# KiCad board first_keyboard.kicad_pcb (continued)
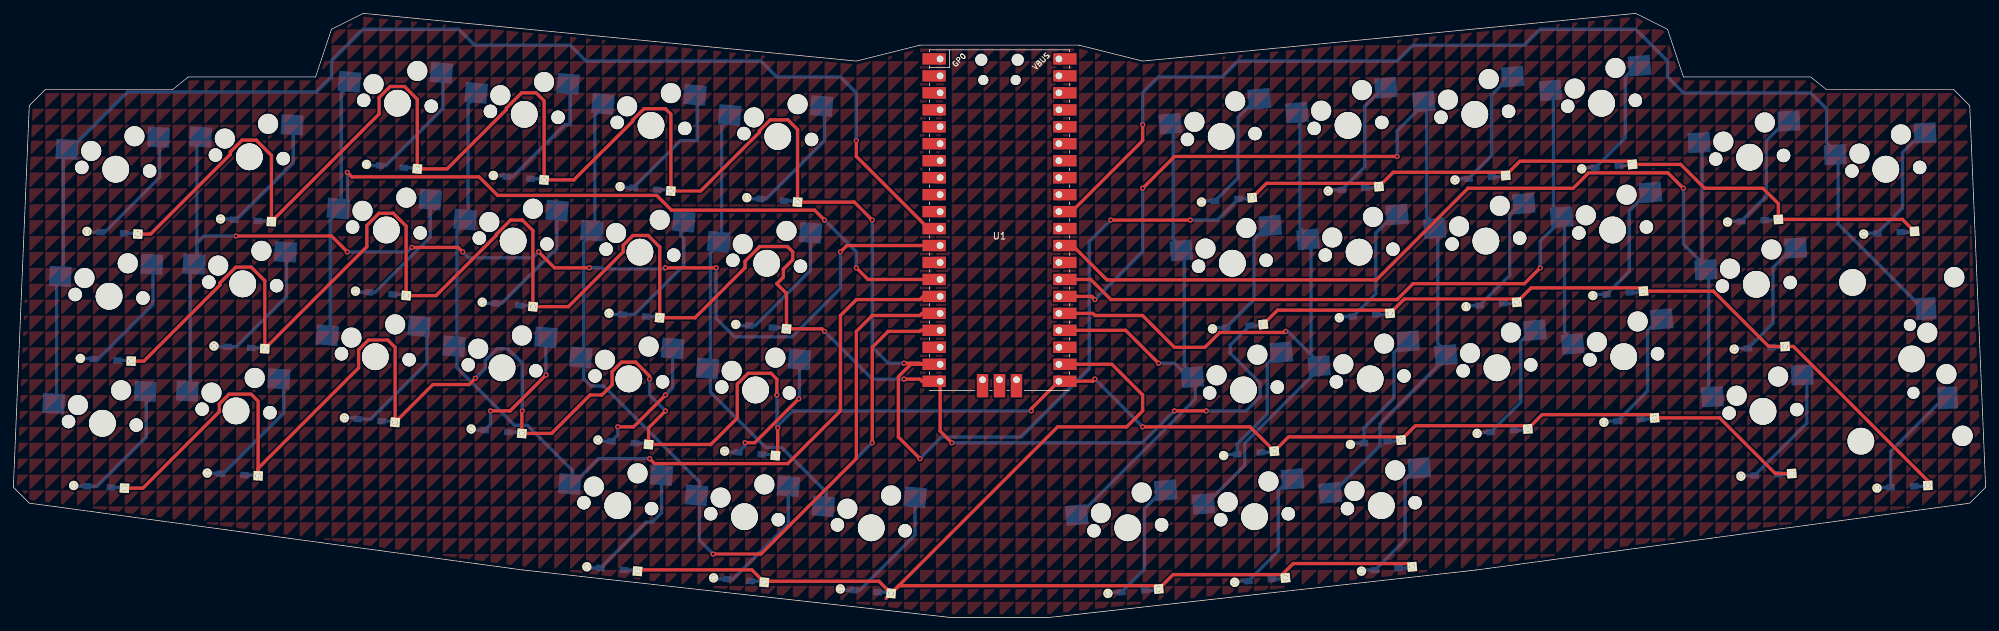
[diagram p0: board, top side]
## Copper pours and planes (outline as drawn; the poured copper is in the pictures) (continued)
(no net) on Top, Bottom: 85.73,123.83 85.73,121.44 88.11,123.83
(no net) on Top, Bottom: 157.16,100.01 157.16,97.63 159.54,100.01
(no net) on Top, Bottom: 207.17,-11.91 207.17,-14.29 209.55,-11.91
(no net) on Top, Bottom: 130.97,145.26 130.97,142.88 133.35,145.26
(no net) on Top, Bottom: 121.44,-30.96 121.44,-33.34 123.83,-30.96
(no net) on Top, Bottom: 114.3,83.34 114.3,80.96 116.68,83.34
(no net) on Top, Bottom: 178.59,114.3 178.59,111.92 180.98,114.3
(no net) on Top, Bottom: 126.21,107.16 126.21,104.78 128.59,107.16
(no net) on Top, Bottom: 71.44,-33.34 71.44,-35.72 73.82,-33.34
(no net) on Top, Bottom: 150.02,114.3 150.02,111.92 152.4,114.3
(no net) on Top, Bottom: 66.67,109.54 66.67,107.16 69.06,109.54
(no net) on Top, Bottom: 276.22,-19.05 276.22,-21.43 278.61,-19.05
(no net) on Top, Bottom: 145.26,-11.91 145.26,-14.29 147.64,-11.91
(no net) on Top, Bottom: 142.88,21.43 142.88,19.05 145.26,21.43
(no net) on Top, Bottom: 235.74,-28.57 235.74,-30.96 238.12,-28.57
(no net) on Top, Bottom: 178.59,-19.05 178.59,-21.43 180.98,-19.05
(no net) on Top, Bottom: 228.6,52.39 228.6,50.01 230.98,52.39
(no net) on Top, Bottom: 238.12,-9.53 238.12,-11.91 240.51,-9.53
(no net) on Top, Bottom: 209.55,35.72 209.55,33.34 211.93,35.72
(no net) on Top, Bottom: 66.67,11.91 66.67,9.53 69.06,11.91
(no net) on Top, Bottom: 152.4,23.81 152.4,21.43 154.78,23.81
(no net) on Top, Bottom: 9.53,111.92 9.53,109.54 11.91,111.92
(no net) on Top, Bottom: 33.34,107.16 33.34,104.78 35.72,107.16
(no net) on Top, Bottom: 64.29,2.38 64.29,0 66.67,2.38
(no net) on Top, Bottom: 297.66,52.39 297.66,50.01 300.04,52.39
(no net) on Top, Bottom: 50.01,97.63 50.01,95.25 52.39,97.63
(no net) on Top, Bottom: 183.36,47.62 183.36,45.24 185.74,47.62
(no net) on Top, Bottom: 300.04,47.62 300.04,45.24 302.42,47.62
(no net) on Top, Bottom: 95.25,28.57 95.25,26.19 97.63,28.57
(no net) on Top, Bottom: 188.12,133.35 188.12,130.97 190.5,133.35
(no net) on Top, Bottom: 209.55,88.11 209.55,85.72 211.93,88.11
(no net) on Top, Bottom: 157.16,-2.38 157.16,-4.76 159.54,-2.38
(no net) on Top, Bottom: 185.74,21.43 185.74,19.05 188.12,21.43
(no net) on Top, Bottom: 295.27,142.88 295.27,140.49 297.66,142.88
(no net) on Top, Bottom: 59.53,88.11 59.53,85.72 61.91,88.11
(no net) on Top, Bottom: 11.91,-9.53 11.91,-11.91 14.29,-9.53
(no net) on Top, Bottom: 100.01,-38.1 100.01,-40.48 102.39,-38.1
(no net) on Top, Bottom: 116.68,114.3 116.68,111.92 119.06,114.3
(no net) on Top, Bottom: 250.03,123.83 250.03,121.44 252.41,123.83
(no net) on Top, Bottom: 247.65,4.76 247.65,2.38 250.03,4.76
(no net) on Top, Bottom: 283.37,88.11 283.37,85.72 285.75,88.11
(no net) on Top, Bottom: 59.53,35.72 59.53,33.34 61.91,35.72
(no net) on Top, Bottom: 266.7,-21.43 266.7,-23.81 269.08,-21.43
(no net) on Top, Bottom: 254.79,69.06 254.79,66.68 257.18,69.06
(no net) on Top, Bottom: 90.49,-16.67 90.49,-19.05 92.87,-16.67
(no net) on Top, Bottom: 283.37,92.87 283.37,90.49 285.75,92.87
(no net) on Top, Bottom: 28.58,126.21 28.58,123.83 30.96,126.21
(no net) on Top, Bottom: 178.59,-33.34 178.59,-35.72 180.98,-33.34
(no net) on Top, Bottom: 271.46,35.72 271.46,33.34 273.84,35.72
(no net) on Top, Bottom: 278.61,-30.96 278.61,-33.34 280.99,-30.96
(no net) on Top, Bottom: 116.68,140.49 116.68,138.11 119.06,140.49
(no net) on Top, Bottom: 259.56,33.34 259.56,30.96 261.94,33.34
(no net) on Top, Bottom: 9.53,-4.76 9.53,-7.14 11.91,-4.76
(no net) on Top, Bottom: 104.77,-23.81 104.77,-26.19 107.16,-23.81
(no net) on Top, Bottom: 273.84,-16.67 273.84,-19.05 276.22,-16.67
(no net) on Top, Bottom: 171.45,-19.05 171.45,-21.43 173.83,-19.05
(no net) on Top, Bottom: 207.17,54.77 207.17,52.39 209.55,54.77
(no net) on Top, Bottom: 142.88,33.34 142.88,30.96 145.26,33.34
(no net) on Top, Bottom: 30.96,52.39 30.96,50.01 33.34,52.39
(no net) on Top, Bottom: 164.31,102.39 164.31,100.01 166.69,102.39
(no net) on Top, Bottom: 73.82,109.54 73.82,107.16 76.2,109.54
(no net) on Top, Bottom: 128.59,109.54 128.59,107.16 130.97,109.54
(no net) on Top, Bottom: 304.8,150.02 304.8,147.64 307.18,150.02
(no net) on Top, Bottom: 19.05,50.01 19.05,47.62 21.43,50.01
(no net) on Top, Bottom: 166.69,130.97 166.69,128.59 169.07,130.97
(no net) on Top, Bottom: 116.68,80.96 116.68,78.58 119.06,80.96
(no net) on Top, Bottom: 140.49,78.58 140.49,76.2 142.88,78.58
(no net) on Top, Bottom: 266.7,9.53 266.7,7.14 269.08,9.53
(no net) on Top, Bottom: 233.36,64.29 233.36,61.91 235.74,64.29
(no net) on Top, Bottom: 35.72,109.54 35.72,107.16 38.1,109.54
(no net) on Top, Bottom: 288.13,123.83 288.13,121.44 290.51,123.83
(no net) on Top, Bottom: 219.07,80.96 219.07,78.58 221.46,80.96
(no net) on Top, Bottom: 292.89,109.54 292.89,107.16 295.27,109.54
(no net) on Top, Bottom: 9.53,-11.91 9.53,-14.29 11.91,-11.91
(no net) on Top, Bottom: 259.56,11.91 259.56,9.53 261.94,11.91
(no net) on Top, Bottom: 164.31,100.01 164.31,97.63 166.69,100.01
(no net) on Top, Bottom: 38.1,114.3 38.1,111.92 40.48,114.3
(no net) on Top, Bottom: 154.78,71.44 154.78,69.06 157.16,71.44
(no net) on Top, Bottom: 264.32,54.77 264.32,52.39 266.7,54.77
(no net) on Top, Bottom: 123.83,111.92 123.83,109.54 126.21,111.92
(no net) on Top, Bottom: 73.82,33.34 73.82,30.96 76.2,33.34
(no net) on Top, Bottom: 214.31,54.77 214.31,52.39 216.69,54.77
(no net) on Top, Bottom: 147.64,123.83 147.64,121.44 150.02,123.83
(no net) on Top, Bottom: 54.77,126.21 54.77,123.83 57.15,126.21
(no net) on Top, Bottom: 73.82,116.68 73.82,114.3 76.2,116.68
(no net) on Top, Bottom: 295.27,-23.81 295.27,-26.19 297.66,-23.81
(no net) on Top, Bottom: 180.98,-23.81 180.98,-26.19 183.36,-23.81
(no net) on Top, Bottom: 216.69,19.05 216.69,16.67 219.07,19.05
(no net) on Top, Bottom: 47.62,-26.19 47.62,-28.57 50.01,-26.19
(no net) on Top, Bottom: 233.36,-19.05 233.36,-21.43 235.74,-19.05
(no net) on Top, Bottom: 7.14,-21.43 7.14,-23.81 9.53,-21.43
(no net) on Top, Bottom: 38.1,90.49 38.1,88.11 40.48,90.49
(no net) on Top, Bottom: 123.83,119.06 123.83,116.68 126.21,119.06
(no net) on Top, Bottom: 238.12,30.96 238.12,28.57 240.51,30.96
(no net) on Top, Bottom: 114.3,33.34 114.3,30.96 116.68,33.34
(no net) on Top, Bottom: 80.96,-16.67 80.96,-19.05 83.34,-16.67
(no net) on Top, Bottom: 233.36,111.92 233.36,109.54 235.74,111.92
(no net) on Top, Bottom: 78.58,19.05 78.58,16.67 80.96,19.05
(no net) on Top, Bottom: 171.45,-38.1 171.45,-40.48 173.83,-38.1
(no net) on Top, Bottom: 38.1,92.87 38.1,90.49 40.48,92.87
(no net) on Top, Bottom: 169.07,66.68 169.07,64.29 171.45,66.68
(no net) on Top, Bottom: 23.81,116.68 23.81,114.3 26.19,116.68
(no net) on Top, Bottom: 45.24,128.59 45.24,126.21 47.62,128.59
(no net) on Top, Bottom: 102.39,42.86 102.39,40.48 104.77,42.86
(no net) on Top, Bottom: 242.89,145.26 242.89,142.88 245.27,145.26
(no net) on Top, Bottom: 271.46,71.44 271.46,69.06 273.84,71.44
(no net) on Top, Bottom: 133.35,38.1 133.35,35.72 135.73,38.1
(no net) on Top, Bottom: 28.58,-33.34 28.58,-35.72 30.96,-33.34
(no net) on Top, Bottom: 271.46,11.91 271.46,9.53 273.84,11.91
(no net) on Top, Bottom: 78.58,130.97 78.58,128.59 80.96,130.97
(no net) on Top, Bottom: 226.22,57.15 226.22,54.77 228.6,57.15
(no net) on Top, Bottom: 104.77,76.2 104.77,73.82 107.16,76.2
(no net) on Top, Bottom: 0,-28.57 0,-30.96 2.38,-28.57
(no net) on Top, Bottom: 107.16,-38.1 107.16,-40.48 109.54,-38.1
(no net) on Top, Bottom: 116.68,138.11 116.68,135.73 119.06,138.11
(no net) on Top, Bottom: 130.97,52.39 130.97,50.01 133.35,52.39
(no net) on Top, Bottom: 54.77,0 54.77,-2.38 57.15,0
(no net) on Top, Bottom: 119.06,116.68 119.06,114.3 121.44,116.68
(no net) on Top, Bottom: 247.65,45.24 247.65,42.86 250.03,45.24
(no net) on Top, Bottom: 150.02,71.44 150.02,69.06 152.4,71.44
(no net) on Top, Bottom: 59.53,104.78 59.53,102.39 61.91,104.78
(no net) on Top, Bottom: 276.22,-7.14 276.22,-9.53 278.61,-7.14
(no net) on Top, Bottom: 109.54,107.16 109.54,104.78 111.92,107.16
(no net) on Top, Bottom: 273.84,50.01 273.84,47.62 276.22,50.01
(no net) on Top, Bottom: 288.13,121.44 288.13,119.06 290.51,121.44
(no net) on Top, Bottom: 107.16,133.35 107.16,130.97 109.54,133.35
(no net) on Top, Bottom: 119.06,9.53 119.06,7.14 121.44,9.53
(no net) on Top, Bottom: 85.73,90.49 85.73,88.11 88.11,90.49
(no net) on Top, Bottom: 7.14,-33.34 7.14,-35.72 9.53,-33.34
(no net) on Top, Bottom: 161.93,69.06 161.93,66.68 164.31,69.06
(no net) on Top, Bottom: 280.99,126.21 280.99,123.83 283.37,126.21
(no net) on Top, Bottom: 154.78,40.48 154.78,38.1 157.16,40.48
(no net) on Top, Bottom: 269.08,-26.19 269.08,-28.57 271.46,-26.19
(no net) on Top, Bottom: 216.69,-2.38 216.69,-4.76 219.07,-2.38
(no net) on Top, Bottom: 204.79,150.02 204.79,147.64 207.17,150.02
(no net) on Top, Bottom: 185.74,138.11 185.74,135.73 188.12,138.11
(no net) on Top, Bottom: 14.29,-28.57 14.29,-30.96 16.67,-28.57
(no net) on Top, Bottom: 142.88,61.91 142.88,59.53 145.26,61.91
(no net) on Top, Bottom: 142.88,138.11 142.88,135.73 145.26,138.11
(no net) on Top, Bottom: 280.99,69.06 280.99,66.68 283.37,69.06
(no net) on Top, Bottom: 242.89,116.68 242.89,114.3 245.27,116.68
(no net) on Top, Bottom: 261.94,78.58 261.94,76.2 264.32,78.58
(no net) on Top, Bottom: 204.79,100.01 204.79,97.63 207.17,100.01
(no net) on Top, Bottom: 197.64,88.11 197.64,85.72 200.02,88.11
(no net) on Top, Bottom: 280.99,-9.53 280.99,-11.91 283.37,-9.53
(no net) on Top, Bottom: 285.75,78.58 285.75,76.2 288.13,78.58
(no net) on Top, Bottom: 264.32,90.49 264.32,88.11 266.7,90.49
(no net) on Top, Bottom: 164.31,-14.29 164.31,-16.67 166.69,-14.29
(no net) on Top, Bottom: 245.27,102.39 245.27,100.01 247.65,102.39
(no net) on Top, Bottom: 195.26,107.16 195.26,104.78 197.64,107.16
(no net) on Top, Bottom: 200.02,116.68 200.02,114.3 202.41,116.68
(no net) on Top, Bottom: 130.97,123.83 130.97,121.44 133.35,123.83
(no net) on Top, Bottom: 19.05,107.16 19.05,104.78 21.43,107.16
(no net) on Top, Bottom: 114.3,0 114.3,-2.38 116.68,0
(no net) on Top, Bottom: 140.49,107.16 140.49,104.78 142.88,107.16
(no net) on Top, Bottom: 130.97,38.1 130.97,35.72 133.35,38.1
(no net) on Top, Bottom: 111.92,-33.34 111.92,-35.72 114.3,-33.34
(no net) on Top, Bottom: 133.35,111.92 133.35,109.54 135.73,111.92
(no net) on Top, Bottom: 104.77,61.91 104.77,59.53 107.16,61.91
(no net) on Top, Bottom: 192.88,19.05 192.88,16.67 195.26,19.05
(no net) on Top, Bottom: 245.27,135.73 245.27,133.35 247.65,135.73
(no net) on Top, Bottom: 190.5,-38.1 190.5,-40.48 192.88,-38.1
(no net) on Top, Bottom: 4.76,-16.67 4.76,-19.05 7.14,-16.67
(no net) on Top, Bottom: 104.77,102.39 104.77,100.01 107.16,102.39
(no net) on Top, Bottom: 119.06,19.05 119.06,16.67 121.44,19.05
(no net) on Top, Bottom: 2.38,-28.57 2.38,-30.96 4.76,-28.57
(no net) on Top, Bottom: 233.36,88.11 233.36,85.72 235.74,88.11
(no net) on Top, Bottom: 2.38,92.87 2.38,90.49 4.76,92.87
(no net) on Top, Bottom: 123.83,76.2 123.83,73.82 126.21,76.2
(no net) on Top, Bottom: 254.79,71.44 254.79,69.06 257.18,71.44
(no net) on Top, Bottom: 183.36,-14.29 183.36,-16.67 185.74,-14.29
(no net) on Top, Bottom: 28.58,-2.38 28.58,-4.76 30.96,-2.38
(no net) on Top, Bottom: 264.32,88.11 264.32,85.72 266.7,88.11
(no net) on Top, Bottom: 254.79,11.91 254.79,9.53 257.18,11.91
(no net) on Top, Bottom: 45.24,16.67 45.24,14.29 47.62,16.67
(no net) on Top, Bottom: 35.72,23.81 35.72,21.43 38.1,23.81
(no net) on Top, Bottom: 4.76,92.87 4.76,90.49 7.14,92.87
(no net) on Top, Bottom: 266.7,38.1 266.7,35.72 269.08,38.1
(no net) on Top, Bottom: 76.2,90.49 76.2,88.11 78.58,90.49
(no net) on Top, Bottom: 138.11,-14.29 138.11,-16.67 140.49,-14.29
(no net) on Top, Bottom: 23.81,33.34 23.81,30.96 26.19,33.34
(no net) on Top, Bottom: 59.53,138.11 59.53,135.73 61.91,138.11
(no net) on Top, Bottom: 100.01,123.83 100.01,121.44 102.39,123.83
(no net) on Top, Bottom: 235.74,119.06 235.74,116.68 238.12,119.06
(no net) on Top, Bottom: 147.64,26.19 147.64,23.81 150.02,26.19
(no net) on Top, Bottom: 250.03,133.35 250.03,130.97 252.41,133.35
(no net) on Top, Bottom: 300.04,42.86 300.04,40.48 302.42,42.86
(no net) on Top, Bottom: 102.39,119.06 102.39,116.68 104.77,119.06
(no net) on Top, Bottom: 45.24,104.78 45.24,102.39 47.62,104.78
(no net) on Top, Bottom: 100.01,16.67 100.01,14.29 102.39,16.67
(no net) on Top, Bottom: 78.58,0 78.58,-2.38 80.96,0
(no net) on Top, Bottom: 238.12,90.49 238.12,88.11 240.51,90.49
(no net) on Top, Bottom: 242.89,85.72 242.89,83.34 245.27,85.72
(no net) on Top, Bottom: 61.91,50.01 61.91,47.62 64.29,50.01
(no net) on Top, Bottom: 111.92,88.11 111.92,85.72 114.3,88.11
(no net) on Top, Bottom: 104.77,107.16 104.77,104.78 107.16,107.16
(no net) on Top, Bottom: 28.58,-4.76 28.58,-7.14 30.96,-4.76
(no net) on Top, Bottom: 73.82,102.39 73.82,100.01 76.2,102.39
(no net) on Top, Bottom: 107.16,142.88 107.16,140.49 109.54,142.88
(no net) on Top, Bottom: 259.56,126.21 259.56,123.83 261.94,126.21
(no net) on Top, Bottom: 100.01,-11.91 100.01,-14.29 102.39,-11.91
(no net) on Top, Bottom: 76.2,52.39 76.2,50.01 78.58,52.39
(no net) on Top, Bottom: 226.22,59.53 226.22,57.15 228.6,59.53
(no net) on Top, Bottom: 214.31,47.62 214.31,45.24 216.69,47.62
(no net) on Top, Bottom: 90.49,9.53 90.49,7.14 92.87,9.53
(no net) on Top, Bottom: 88.11,57.15 88.11,54.77 90.49,57.15
(no net) on Top, Bottom: 300.04,-23.81 300.04,-26.19 302.42,-23.81
(no net) on Top, Bottom: 257.18,59.53 257.18,57.15 259.56,59.53
(no net) on Top, Bottom: 283.37,80.96 283.37,78.58 285.75,80.96
(no net) on Top, Bottom: 180.98,119.06 180.98,116.68 183.36,119.06
(no net) on Top, Bottom: 230.98,38.1 230.98,35.72 233.36,38.1
(no net) on Top, Bottom: 9.53,9.53 9.53,7.14 11.91,9.53
(no net) on Top, Bottom: 169.07,76.2 169.07,73.82 171.45,76.2
(no net) on Top, Bottom: 183.36,50.01 183.36,47.62 185.74,50.01
(no net) on Top, Bottom: 119.06,57.15 119.06,54.77 121.44,57.15
(no net) on Top, Bottom: 221.46,-23.81 221.46,-26.19 223.84,-23.81
(no net) on Top, Bottom: 233.36,133.35 233.36,130.97 235.74,133.35
(no net) on Top, Bottom: 285.75,69.06 285.75,66.68 288.13,69.06
(no net) on Top, Bottom: 271.46,57.15 271.46,54.77 273.84,57.15
(no net) on Top, Bottom: 54.77,45.24 54.77,42.86 57.15,45.24
(no net) on Top, Bottom: 114.3,140.49 114.3,138.11 116.68,140.49
(no net) on Top, Bottom: 297.66,-11.91 297.66,-14.29 300.04,-11.91
(no net) on Top, Bottom: 185.74,69.06 185.74,66.68 188.12,69.06
(no net) on Top, Bottom: 123.83,140.49 123.83,138.11 126.21,140.49
(no net) on Top, Bottom: 190.5,-2.38 190.5,-4.76 192.88,-2.38
(no net) on Top, Bottom: 14.29,-38.1 14.29,-40.48 16.67,-38.1
(no net) on Top, Bottom: 138.11,88.11 138.11,85.72 140.49,88.11
(no net) on Top, Bottom: 273.84,11.91 273.84,9.53 276.22,11.91
(no net) on Top, Bottom: 14.29,59.53 14.29,57.15 16.67,59.53
(no net) on Top, Bottom: 100.01,33.34 100.01,30.96 102.39,33.34
(no net) on Top, Bottom: 264.32,33.34 264.32,30.96 266.7,33.34
(no net) on Top, Bottom: 104.77,80.96 104.77,78.58 107.16,80.96
(no net) on Top, Bottom: 204.79,-33.34 204.79,-35.72 207.17,-33.34
(no net) on Top, Bottom: 238.12,88.11 238.12,85.72 240.51,88.11
(no net) on Top, Bottom: 9.53,2.38 9.53,0 11.91,2.38
(no net) on Top, Bottom: 61.91,71.44 61.91,69.06 64.29,71.44
(no net) on Top, Bottom: 9.53,54.77 9.53,52.39 11.91,54.77
(no net) on Top, Bottom: 66.67,-11.91 66.67,-14.29 69.06,-11.91
(no net) on Top, Bottom: 80.96,138.11 80.96,135.73 83.34,138.11
(no net) on Top, Bottom: 152.4,-7.14 152.4,-9.53 154.78,-7.14
(no net) on Top, Bottom: 159.54,-35.72 159.54,-38.1 161.93,-35.72
(no net) on Top, Bottom: 90.49,-21.43 90.49,-23.81 92.87,-21.43
(no net) on Top, Bottom: 269.08,61.91 269.08,59.53 271.46,61.91
(no net) on Top, Bottom: 142.88,-19.05 142.88,-21.43 145.26,-19.05
(no net) on Top, Bottom: 54.77,40.48 54.77,38.1 57.15,40.48
(no net) on Top, Bottom: 252.41,114.3 252.41,111.92 254.79,114.3
(no net) on Top, Bottom: 14.29,7.14 14.29,4.76 16.67,7.14
(no net) on Top, Bottom: 142.88,50.01 142.88,47.62 145.26,50.01
(no net) on Top, Bottom: 138.11,128.59 138.11,126.21 140.49,128.59
(no net) on Top, Bottom: 40.48,38.1 40.48,35.72 42.86,38.1
(no net) on Top, Bottom: 235.74,130.97 235.74,128.59 238.12,130.97
(no net) on Top, Bottom: 295.27,130.97 295.27,128.59 297.66,130.97
(no net) on Top, Bottom: 61.91,100.01 61.91,97.63 64.29,100.01
(no net) on Top, Bottom: 171.45,147.64 171.45,145.26 173.83,147.64
(no net) on Top, Bottom: 233.36,71.44 233.36,69.06 235.74,71.44
(no net) on Top, Bottom: 245.27,69.06 245.27,66.68 247.65,69.06
(no net) on Top, Bottom: 154.78,123.83 154.78,121.44 157.16,123.83
(no net) on Top, Bottom: 242.89,-21.43 242.89,-23.81 245.27,-21.43
(no net) on Top, Bottom: 78.58,-26.19 78.58,-28.57 80.96,-26.19
(no net) on Top, Bottom: 292.89,-9.53 292.89,-11.91 295.27,-9.53
(no net) on Top, Bottom: 252.41,28.57 252.41,26.19 254.79,28.57
(no net) on Top, Bottom: 195.26,-26.19 195.26,-28.57 197.64,-26.19
(no net) on Top, Bottom: 80.96,0 80.96,-2.38 83.34,0
(no net) on Top, Bottom: 190.5,119.06 190.5,116.68 192.88,119.06
(no net) on Top, Bottom: 269.08,-11.91 269.08,-14.29 271.46,-11.91
(no net) on Top, Bottom: 35.72,92.87 35.72,90.49 38.1,92.87
(no net) on Top, Bottom: 169.07,-30.96 169.07,-33.34 171.45,-30.96
(no net) on Top, Bottom: 57.15,4.76 57.15,2.38 59.53,4.76
(no net) on Top, Bottom: 26.19,126.21 26.19,123.83 28.58,126.21
(no net) on Top, Bottom: 19.05,116.68 19.05,114.3 21.43,116.68
(no net) on Top, Bottom: 121.44,-9.53 121.44,-11.91 123.83,-9.53
(no net) on Top, Bottom: 235.74,88.11 235.74,85.72 238.12,88.11
(no net) on Top, Bottom: 254.79,30.96 254.79,28.57 257.18,30.96
(no net) on Top, Bottom: 11.91,40.48 11.91,38.1 14.29,40.48
(no net) on Top, Bottom: 114.3,92.87 114.3,90.49 116.68,92.87
(no net) on Top, Bottom: 204.79,130.97 204.79,128.59 207.17,130.97
(no net) on Top, Bottom: 209.55,33.34 209.55,30.96 211.93,33.34
(no net) on Top, Bottom: 7.14,88.11 7.14,85.72 9.53,88.11
(no net) on Top, Bottom: 152.4,73.82 152.4,71.44 154.78,73.82
(no net) on Top, Bottom: 114.3,4.76 114.3,2.38 116.68,4.76
(no net) on Top, Bottom: 50.01,-26.19 50.01,-28.57 52.39,-26.19
(no net) on Top, Bottom: 107.16,35.72 107.16,33.34 109.54,35.72
(no net) on Top, Bottom: 111.92,-2.38 111.92,-4.76 114.3,-2.38
(no net) on Top, Bottom: 45.24,111.92 45.24,109.54 47.62,111.92
(no net) on Top, Bottom: 138.11,83.34 138.11,80.96 140.49,83.34
(no net) on Top, Bottom: 271.46,-38.1 271.46,-40.48 273.84,-38.1
(no net) on Top, Bottom: 304.8,104.78 304.8,102.39 307.18,104.78
(no net) on Top, Bottom: 202.41,47.62 202.41,45.24 204.79,47.62
(no net) on Top, Bottom: 183.36,-21.43 183.36,-23.81 185.74,-21.43
(no net) on Top, Bottom: 95.25,19.05 95.25,16.67 97.63,19.05
(no net) on Top, Bottom: 166.69,40.48 166.69,38.1 169.07,40.48
(no net) on Top, Bottom: 38.1,30.96 38.1,28.57 40.48,30.96
(no net) on Top, Bottom: 271.46,119.06 271.46,116.68 273.84,119.06
(no net) on Top, Bottom: 123.83,-16.67 123.83,-19.05 126.21,-16.67
(no net) on Top, Bottom: 111.92,11.91 111.92,9.53 114.3,11.91
(no net) on Top, Bottom: 264.32,-4.76 264.32,-7.14 266.7,-4.76
(no net) on Top, Bottom: 64.29,97.63 64.29,95.25 66.67,97.63
(no net) on Top, Bottom: 185.74,78.58 185.74,76.2 188.12,78.58
(no net) on Top, Bottom: 230.98,-11.91 230.98,-14.29 233.36,-11.91
(no net) on Top, Bottom: 0,76.2 0,73.82 2.38,76.2
(no net) on Top, Bottom: 202.41,21.43 202.41,19.05 204.79,21.43
(no net) on Top, Bottom: 159.54,-2.38 159.54,-4.76 161.93,-2.38
(no net) on Top, Bottom: 180.98,-38.1 180.98,-40.48 183.36,-38.1
(no net) on Top, Bottom: 85.73,45.24 85.73,42.86 88.11,45.24
(no net) on Top, Bottom: 276.22,42.86 276.22,40.48 278.61,42.86
(no net) on Top, Bottom: 147.64,16.67 147.64,14.29 150.02,16.67
(no net) on Top, Bottom: 257.18,38.1 257.18,35.72 259.56,38.1
(no net) on Top, Bottom: 123.83,33.34 123.83,30.96 126.21,33.34
(no net) on Top, Bottom: 197.64,38.1 197.64,35.72 200.02,38.1
(no net) on Top, Bottom: 116.68,66.68 116.68,64.29 119.06,66.68
(no net) on Top, Bottom: 121.44,-21.43 121.44,-23.81 123.83,-21.43
(no net) on Top, Bottom: 166.69,-30.96 166.69,-33.34 169.07,-30.96
(no net) on Top, Bottom: 54.77,109.54 54.77,107.16 57.15,109.54
(no net) on Top, Bottom: 285.75,97.63 285.75,95.25 288.13,97.63
(no net) on Top, Bottom: 35.72,2.38 35.72,0 38.1,2.38
(no net) on Top, Bottom: 66.67,28.57 66.67,26.19 69.06,28.57
(no net) on Top, Bottom: 159.54,-19.05 159.54,-21.43 161.93,-19.05
(no net) on Top, Bottom: 107.16,52.39 107.16,50.01 109.54,52.39
(no net) on Top, Bottom: 173.83,71.44 173.83,69.06 176.21,71.44
(no net) on Top, Bottom: 226.22,-30.96 226.22,-33.34 228.6,-30.96
(no net) on Top, Bottom: 116.68,33.34 116.68,30.96 119.06,33.34
(no net) on Top, Bottom: 190.5,116.68 190.5,114.3 192.88,116.68
(no net) on Top, Bottom: 288.13,-7.14 288.13,-9.53 290.51,-7.14
(no net) on Top, Bottom: 83.34,133.35 83.34,130.97 85.73,133.35
(no net) on Top, Bottom: 23.81,104.78 23.81,102.39 26.19,104.78
(no net) on Top, Bottom: 219.07,52.39 219.07,50.01 221.46,52.39
(no net) on Top, Bottom: 130.97,42.86 130.97,40.48 133.35,42.86
(no net) on Top, Bottom: 159.54,40.48 159.54,38.1 161.93,40.48
(no net) on Top, Bottom: 92.87,107.16 92.87,104.78 95.25,107.16
(no net) on Top, Bottom: 76.2,119.06 76.2,116.68 78.58,119.06
(no net) on Top, Bottom: 111.92,-30.96 111.92,-33.34 114.3,-30.96
(no net) on Top, Bottom: 169.07,147.64 169.07,145.26 171.45,147.64
(no net) on Top, Bottom: 226.22,121.44 226.22,119.06 228.6,121.44
(no net) on Top, Bottom: 78.58,40.48 78.58,38.1 80.96,40.48
(no net) on Top, Bottom: 252.41,42.86 252.41,40.48 254.79,42.86
(no net) on Top, Bottom: 228.6,145.26 228.6,142.88 230.98,145.26
(no net) on Top, Bottom: 102.39,92.87 102.39,90.49 104.77,92.87
(no net) on Top, Bottom: 52.39,-14.29 52.39,-16.67 54.77,-14.29
(no net) on Top, Bottom: 114.3,57.15 114.3,54.77 116.68,57.15
(no net) on Top, Bottom: 150.02,135.73 150.02,133.35 152.4,135.73
(no net) on Top, Bottom: 276.22,64.29 276.22,61.91 278.61,64.29
(no net) on Top, Bottom: 292.89,114.3 292.89,111.92 295.27,114.3
(no net) on Top, Bottom: 121.44,97.63 121.44,95.25 123.83,97.63
(no net) on Top, Bottom: 52.39,28.57 52.39,26.19 54.77,28.57
(no net) on Top, Bottom: 9.53,35.72 9.53,33.34 11.91,35.72
(no net) on Top, Bottom: 66.67,83.34 66.67,80.96 69.06,83.34
(no net) on Top, Bottom: 230.98,-35.72 230.98,-38.1 233.36,-35.72
(no net) on Top, Bottom: 33.34,80.96 33.34,78.58 35.72,80.96
(no net) on Top, Bottom: 292.89,126.21 292.89,123.83 295.27,126.21
(no net) on Top, Bottom: 109.54,-21.43 109.54,-23.81 111.92,-21.43
(no net) on Top, Bottom: 242.89,128.59 242.89,126.21 245.27,128.59
(no net) on Top, Bottom: 290.51,69.06 290.51,66.68 292.89,69.06
(no net) on Top, Bottom: 240.51,57.15 240.51,54.77 242.89,57.15
(no net) on Top, Bottom: 192.88,109.54 192.88,107.16 195.26,109.54
(no net) on Top, Bottom: 178.59,119.06 178.59,116.68 180.98,119.06
(no net) on Top, Bottom: 242.89,111.92 242.89,109.54 245.27,111.92
(no net) on Top, Bottom: 185.74,114.3 185.74,111.92 188.12,114.3
(no net) on Top, Bottom: 154.78,14.29 154.78,11.91 157.16,14.29
(no net) on Top, Bottom: 76.2,69.06 76.2,66.68 78.58,69.06
(no net) on Top, Bottom: 159.54,54.77 159.54,52.39 161.93,54.77
(no net) on Top, Bottom: 269.08,2.38 269.08,0 271.46,2.38
(no net) on Top, Bottom: 171.45,-33.34 171.45,-35.72 173.83,-33.34
(no net) on Top, Bottom: 173.83,21.43 173.83,19.05 176.21,21.43
(no net) on Top, Bottom: 107.16,33.34 107.16,30.96 109.54,33.34
(no net) on Top, Bottom: 42.86,23.81 42.86,21.43 45.24,23.81
(no net) on Top, Bottom: 14.29,38.1 14.29,35.72 16.67,38.1
(no net) on Top, Bottom: 116.68,-14.29 116.68,-16.67 119.06,-14.29
(no net) on Top, Bottom: 269.08,90.49 269.08,88.11 271.46,90.49
(no net) on Top, Bottom: 45.24,-11.91 45.24,-14.29 47.62,-11.91
(no net) on Top, Bottom: 90.49,90.49 90.49,88.11 92.87,90.49
(no net) on Top, Bottom: 300.04,-21.43 300.04,-23.81 302.42,-21.43
(no net) on Top, Bottom: 71.44,126.21 71.44,123.83 73.82,126.21
(no net) on Top, Bottom: 9.53,-26.19 9.53,-28.57 11.91,-26.19
(no net) on Top, Bottom: 64.29,0 64.29,-2.38 66.67,0
(no net) on Top, Bottom: 78.58,23.81 78.58,21.43 80.96,23.81
(no net) on Top, Bottom: 109.54,38.1 109.54,35.72 111.92,38.1
(no net) on Top, Bottom: 95.25,54.77 95.25,52.39 97.63,54.77
(no net) on Top, Bottom: 9.53,64.29 9.53,61.91 11.91,64.29
(no net) on Top, Bottom: 9.53,38.1 9.53,35.72 11.91,38.1
(no net) on Top, Bottom: 119.06,104.78 119.06,102.39 121.44,104.78
(no net) on Top, Bottom: 23.81,16.67 23.81,14.29 26.19,16.67
(no net) on Top, Bottom: 245.27,138.11 245.27,135.73 247.65,138.11
(no net) on Top, Bottom: 219.07,14.29 219.07,11.91 221.46,14.29
(no net) on Top, Bottom: 23.81,-30.96 23.81,-33.34 26.19,-30.96
(no net) on Top, Bottom: 214.31,104.78 214.31,102.39 216.69,104.78
(no net) on Top, Bottom: 2.38,50.01 2.38,47.62 4.76,50.01
(no net) on Top, Bottom: 185.74,126.21 185.74,123.83 188.12,126.21
(no net) on Top, Bottom: 295.27,-30.96 295.27,-33.34 297.66,-30.96
(no net) on Top, Bottom: 221.46,16.67 221.46,14.29 223.84,16.67
(no net) on Top, Bottom: 169.07,45.24 169.07,42.86 171.45,45.24